# KiCad board UFC_Main.kicad_pcb
title: UFC v6 MAIN; date: 2025-10-04; rev: 6.3.1; company: OPENHORNET.COM; note: CC BY-NC-SA
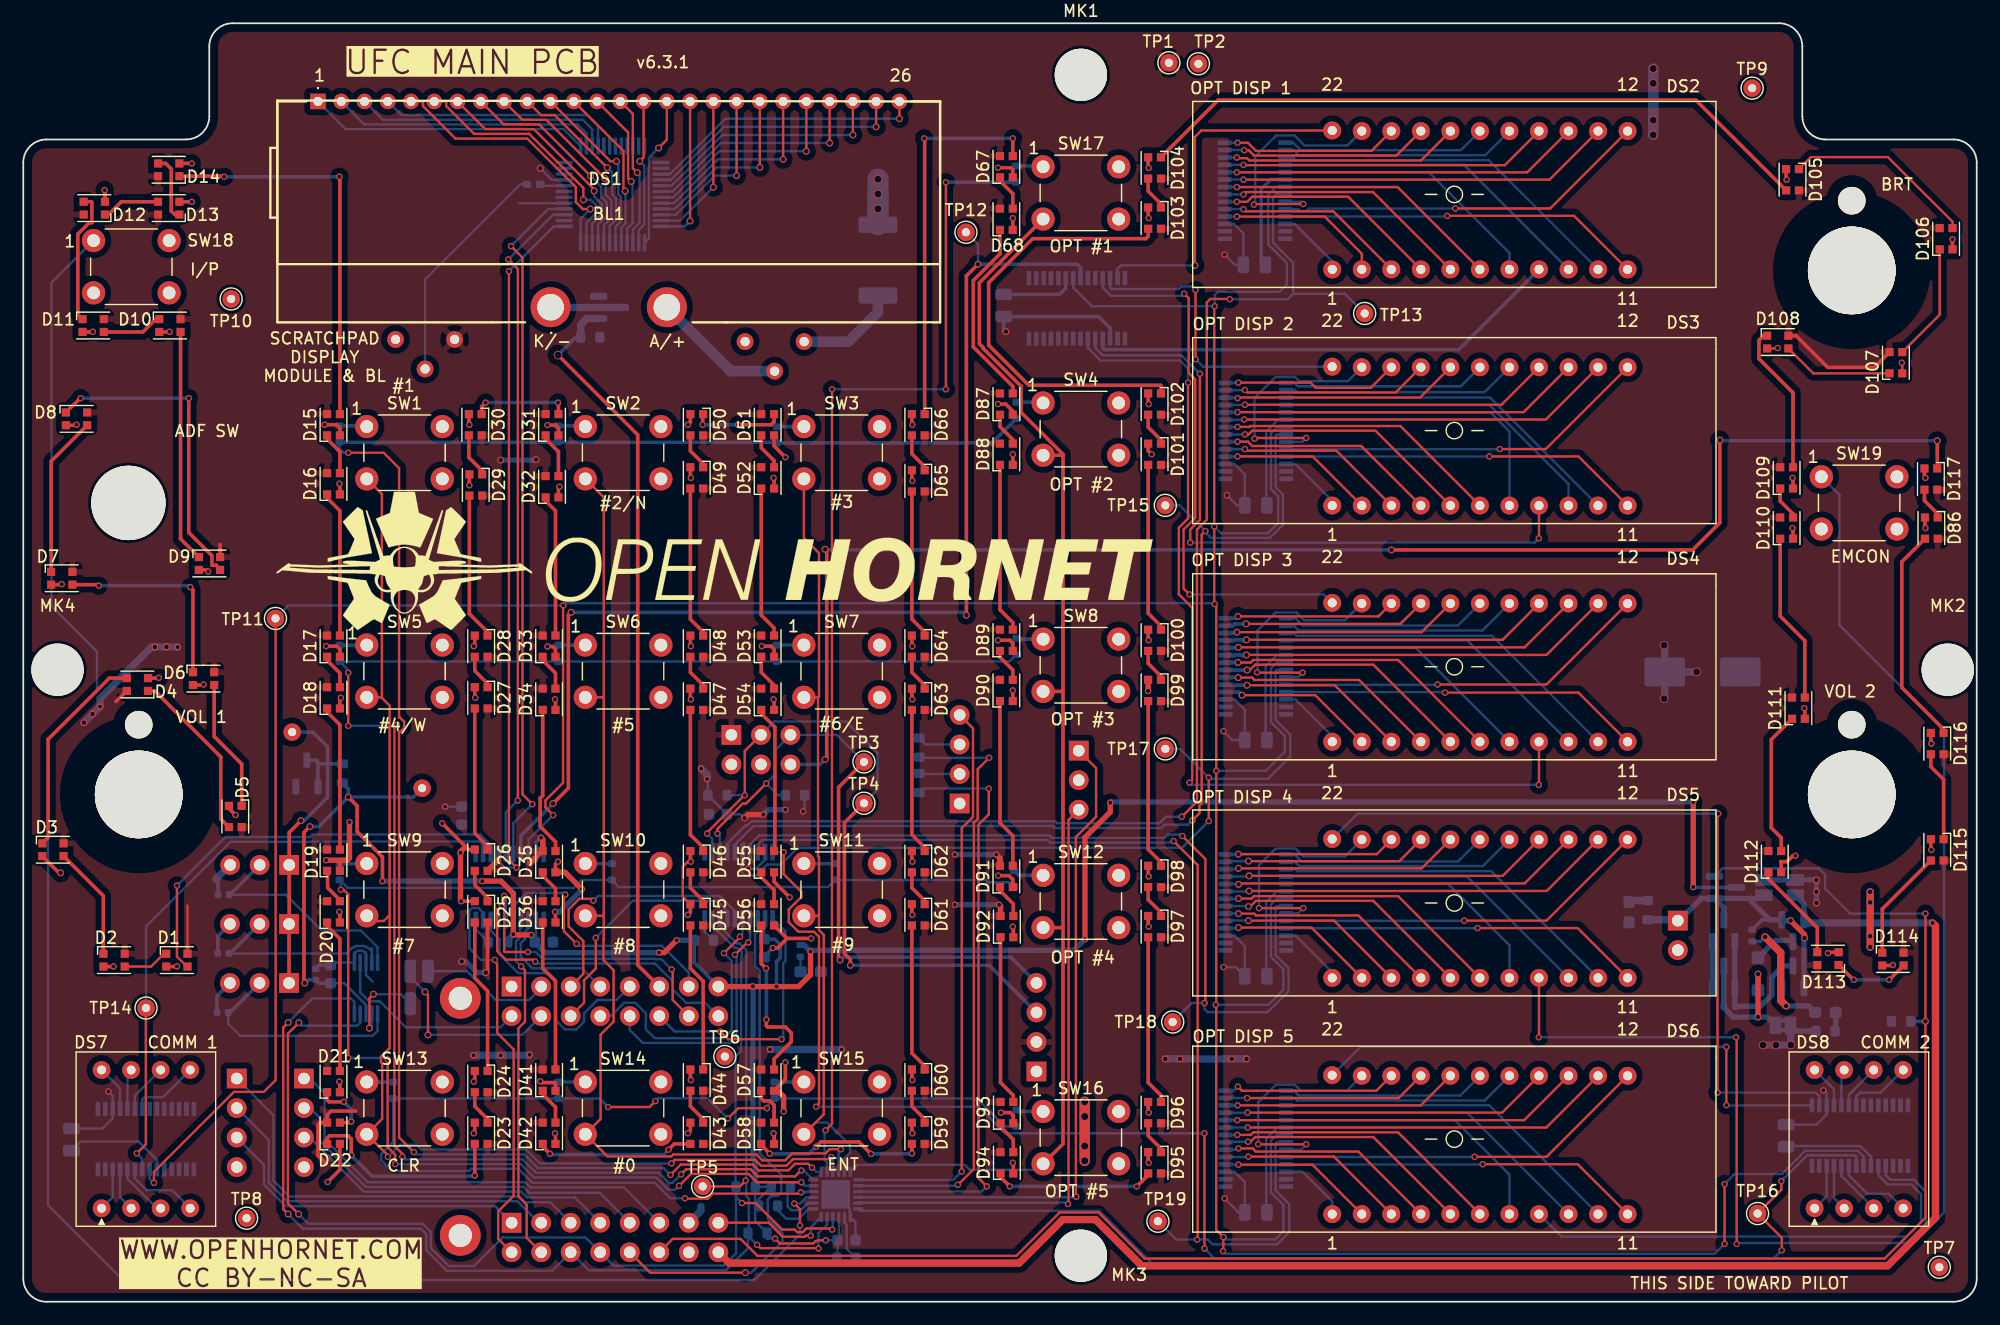
[diagram p0: board, top side]
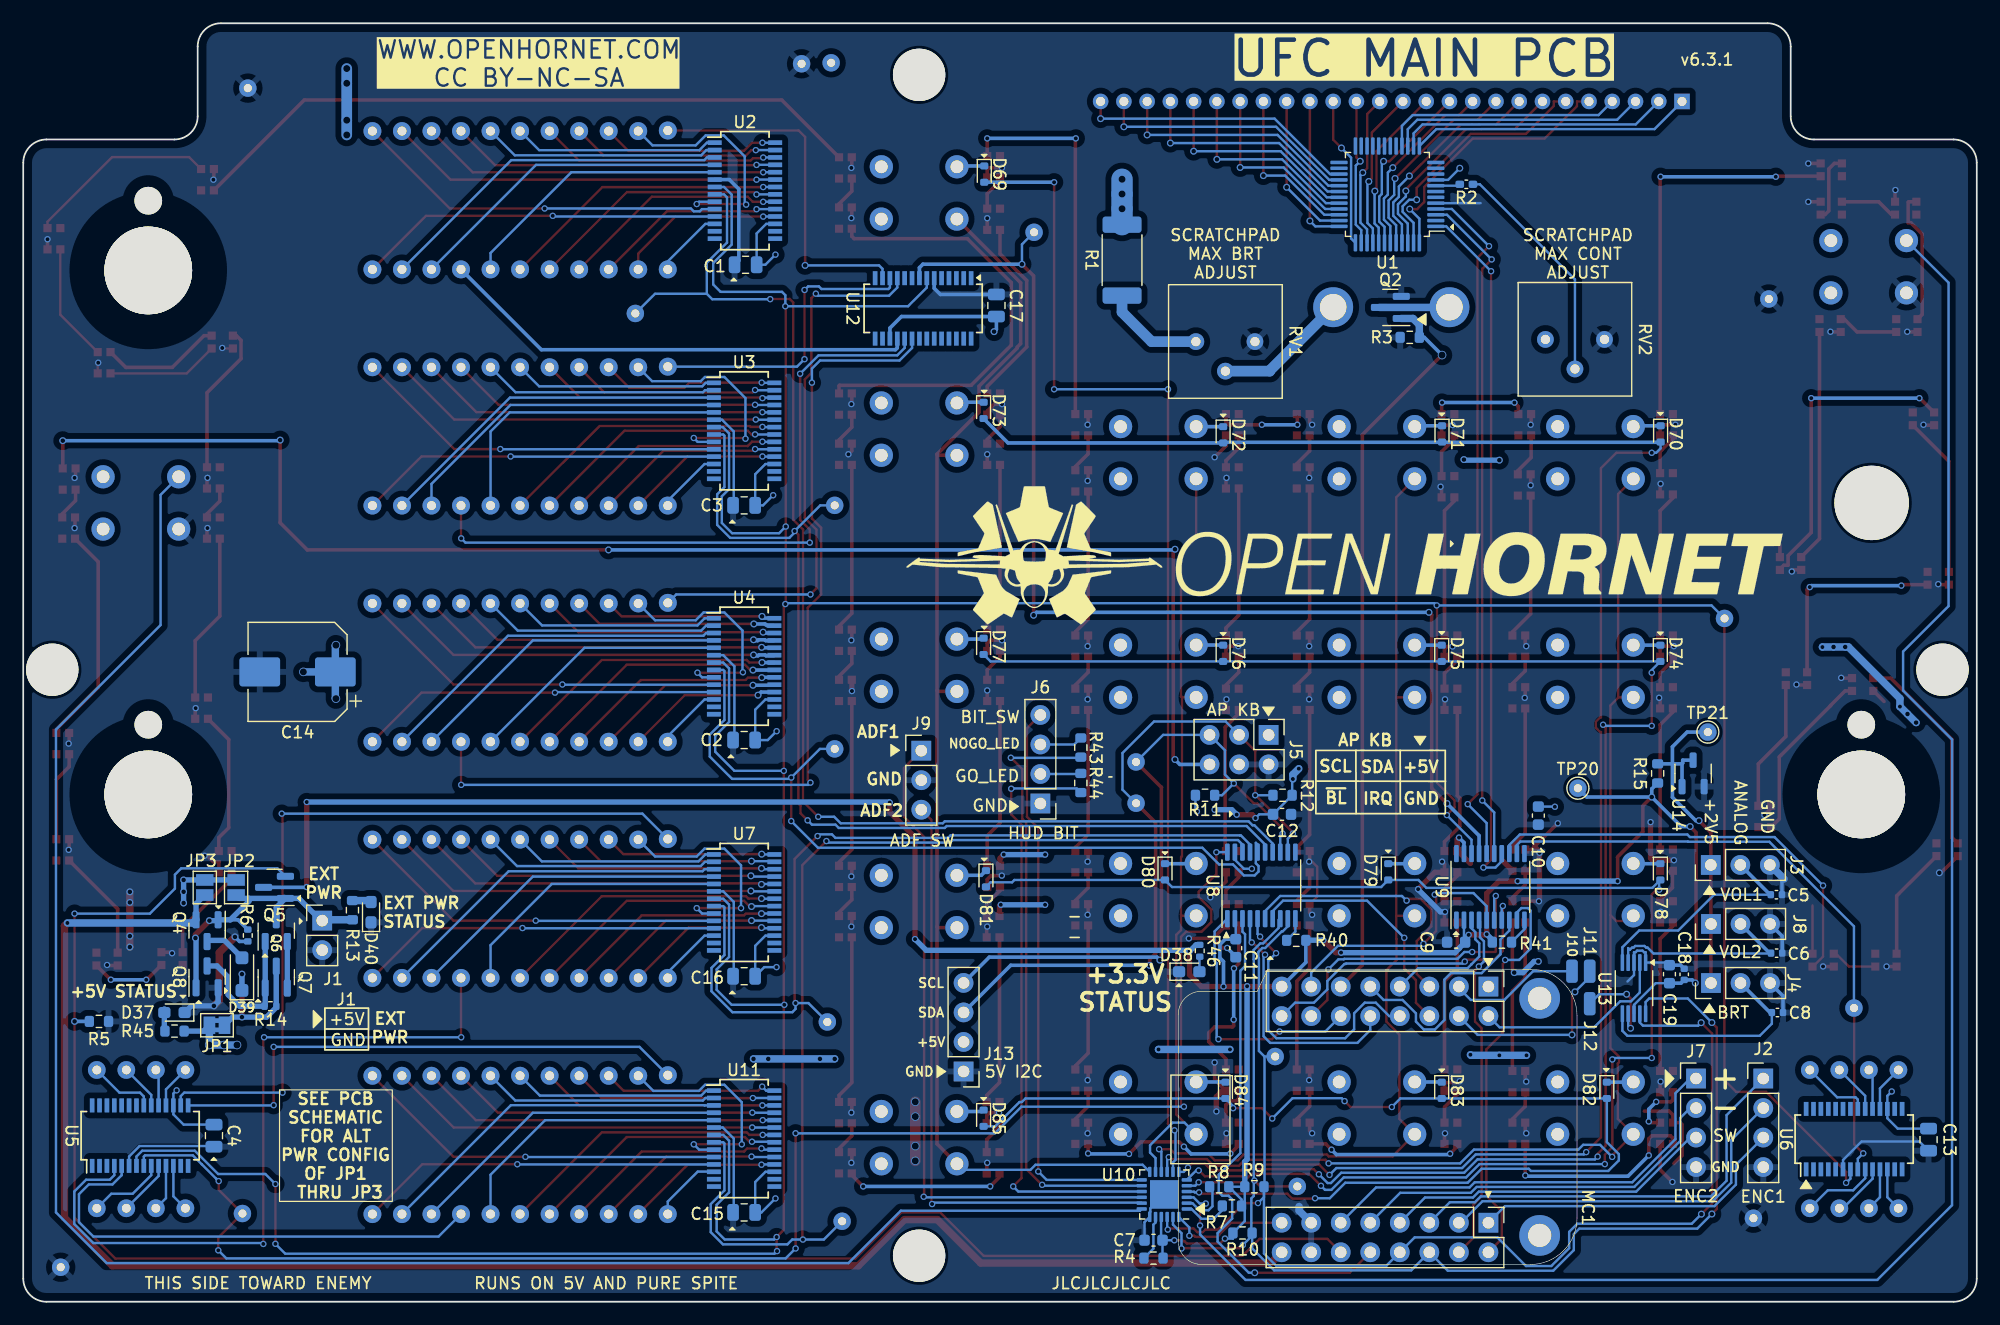
[diagram p1: board, bottom side, seen from below]

Outline 168 x 110 mm; copper layers: Top, Bottom. Coordinates in mm from the lower left corner of the outline.
Outline path: 0,98 0,2 arc(0.59,0.59) 2,0 166,0 arc(167.41,0.59) 168,2 168,98 arc(167.41,99.41) 166,100 155,100 arc(153.59,100.59) 153,102 153,108 arc(152.41,109.41) 151,110 18,110 arc(16.59,109.41) 16,108 16,102 arc(15.41,100.59) 14,100 2,100 arc(0.59,99.41) 0,98
Stack: Top 0.035mm / dielectric 1.51mm FR4 er 4.5 / Bottom 0.035mm

## Placement (name value [footprint] x y rotation side)
BL1  SCR BL  [SCRATCHPADBACKLIGHT]  45.35 85.57 0 top
C1  10uF  [C_0805_2012Metric]  105.88 89.22 180 bottom
C2  10uF  [C_0805_2012Metric]  106 48.33 180 bottom
C3  10uF  [C_0805_2012Metric]  106 68.52 180 bottom
C4  10uF  [C_0805_2012Metric]  151.6 14.29 90 bottom
C5  100nF  [C_0402_1005Metric]  17.23 35.02 0 bottom
C6  100nF  [C_0402_1005Metric]  17.21 29.99 0 bottom
C7  .1uF  [C_0603_1608Metric]  70.8 5.3 180 bottom
C8  100nF  [C_0402_1005Metric]  17.14 24.88 0 bottom
C9  .1uF  [C_0603_1608Metric]  44.77 30.94 180 bottom
C10  .1uF  [C_0603_1608Metric]  37.7 41.83 90 bottom
C11  .1uF  [C_0603_1608Metric]  63.72 30.42 90 bottom
C12  .1uF  [C_0603_1608Metric]  59.74 41.94 0 bottom
C13  10uF  [C_0805_2012Metric]  4.14 13.95 90 bottom
C14  1000uF  [CP_Elec_8x10]  144.41 54.19 0 bottom
C15  10uF  [C_0805_2012Metric]  106 7.69 180 bottom
C16  10uF  [C_0805_2012Metric]  106 28.01 180 bottom
C17  10uF  [C_0805_2012Metric]  84.31 85.72 270 bottom
C18  10uF  [C_0402_1005Metric]  25.16 28.17 270 bottom
C19  .1uF  [C_0603_1608Metric]  26.43 28.19 270 bottom
D1  WS2812B-2020  [LED_WS2812B-2020_PLCC4_2.0x2.0mm]  13.21 29.39 0 top
D2  WS2812B-2020  [LED_WS2812B-2020_PLCC4_2.0x2.0mm]  7.81 29.39 0 top
D3  WS2812B-2020  [LED_WS2812B-2020_PLCC4_2.0x2.0mm]  2.55 38.89 0 top
D4  WS2812B-2020  [LED_WS2812B-2020_PLCC4_2.0x2.0mm]  9.81 53.11 180 top
D5  WS2812B-2020  [LED_WS2812B-2020_PLCC4_2.0x2.0mm]  18.24 41.75 270 top
D6  WS2812B-2020  [LED_WS2812B-2020_PLCC4_2.0x2.0mm]  15.5 53.61 0 top
D7  WS2812B-2020  [LED_WS2812B-2020_PLCC4_2.0x2.0mm]  3.31 62.25 0 top
D8  WS2812B-2020  [LED_WS2812B-2020_PLCC4_2.0x2.0mm]  4.58 75.96 0 top
D9  WS2812B-2020  [LED_WS2812B-2020_PLCC4_2.0x2.0mm]  16.01 63.52 0 top
D10  WS2812B-2020  [LED_WS2812B-2020_PLCC4_2.0x2.0mm]  12.61 83.99 0 top
D11  WS2812B-2020  [LED_WS2812B-2020_PLCC4_2.0x2.0mm]  6.01 83.99 0 top
D12  WS2812B-2020  [LED_WS2812B-2020_PLCC4_2.0x2.0mm]  6.11 94.09 180 top
D13  WS2812B-2020  [LED_WS2812B-2020_PLCC4_2.0x2.0mm]  12.51 94.09 180 top
D14  WS2812B-2020  [LED_WS2812B-2020_PLCC4_2.0x2.0mm]  12.51 97.39 180 top
D15  WS2812B-2020  [LED_WS2812B-2020_PLCC4_2.0x2.0mm]  26.68 75.46 90 top
D16  WS2812B-2020  [LED_WS2812B-2020_PLCC4_2.0x2.0mm]  26.68 70.38 90 top
D17  WS2812B-2020  [LED_WS2812B-2020_PLCC4_2.0x2.0mm]  26.68 56.41 90 top
D18  WS2812B-2020  [LED_WS2812B-2020_PLCC4_2.0x2.0mm]  26.68 51.96 90 top
D19  WS2812B-2020  [LED_WS2812B-2020_PLCC4_2.0x2.0mm]  26.68 37.99 90 top
D20  WS2812B-2020  [LED_WS2812B-2020_PLCC4_2.0x2.0mm]  26.68 33.55 90 top
D21  WS2812B-2020  [LED_WS2812B-2020_PLCC4_2.0x2.0mm]  26.68 18.94 90 top
D22  WS2812B-2020  [LED_WS2812B-2020_PLCC4_2.0x2.0mm]  26.68 14.5 90 top
D23  WS2812B-2020  [LED_WS2812B-2020_PLCC4_2.0x2.0mm]  39.38 14.5 270 top
D24  WS2812B-2020  [LED_WS2812B-2020_PLCC4_2.0x2.0mm]  39.38 18.94 270 top
D25  WS2812B-2020  [LED_WS2812B-2020_PLCC4_2.0x2.0mm]  39.38 33.55 270 top
D26  WS2812B-2020  [LED_WS2812B-2020_PLCC4_2.0x2.0mm]  39.38 37.99 270 top
D27  WS2812B-2020  [LED_WS2812B-2020_PLCC4_2.0x2.0mm]  39.38 51.96 270 top
D28  WS2812B-2020  [LED_WS2812B-2020_PLCC4_2.0x2.0mm]  39.38 56.41 270 top
D29  WS2812B-2020  [LED_WS2812B-2020_PLCC4_2.0x2.0mm]  38.91 70.28 270 top
D30  WS2812B-2020  [LED_WS2812B-2020_PLCC4_2.0x2.0mm]  38.87 75.46 270 top
D31  WS2812B-2020  [LED_WS2812B-2020_PLCC4_2.0x2.0mm]  45.48 75.46 90 top
D32  WS2812B-2020  [LED_WS2812B-2020_PLCC4_2.0x2.0mm]  45.48 70.12 90 top
D33  WS2812B-2020  [LED_WS2812B-2020_PLCC4_2.0x2.0mm]  45.22 56.41 90 top
D34  WS2812B-2020  [LED_WS2812B-2020_PLCC4_2.0x2.0mm]  45.22 51.83 90 top
D35  WS2812B-2020  [LED_WS2812B-2020_PLCC4_2.0x2.0mm]  45.22 37.86 90 top
D36  WS2812B-2020  [LED_WS2812B-2020_PLCC4_2.0x2.0mm]  45.22 33.55 90 top
D37  +5V_PWR  [LED_0603_1608Metric_Pad1.05x0.95mm_HandSolder]  154.99 24.88 0 bottom
D38  +3.3V_PWR  [LED_0603_1608Metric_Pad1.05x0.95mm_HandSolder]  67.72 28.4 180 bottom
D39  K24  [D_SOD-123F]  149.19 28.19 90 bottom
D40  EXT PWR  [LED_0603_1608Metric_Pad1.05x0.95mm_HandSolder]  138.09 33.52 90 bottom
D41  WS2812B-2020  [LED_WS2812B-2020_PLCC4_2.0x2.0mm]  45.22 19.07 90 top
D42  WS2812B-2020  [LED_WS2812B-2020_PLCC4_2.0x2.0mm]  45.22 14.5 90 top
D43  WS2812B-2020  [LED_WS2812B-2020_PLCC4_2.0x2.0mm]  57.92 14.5 270 top
D44  WS2812B-2020  [LED_WS2812B-2020_PLCC4_2.0x2.0mm]  57.92 19.07 270 top
D45  WS2812B-2020  [LED_WS2812B-2020_PLCC4_2.0x2.0mm]  57.92 33.29 270 top
D46  WS2812B-2020  [LED_WS2812B-2020_PLCC4_2.0x2.0mm]  57.92 37.86 270 top
D47  WS2812B-2020  [LED_WS2812B-2020_PLCC4_2.0x2.0mm]  57.92 51.83 270 top
D48  WS2812B-2020  [LED_WS2812B-2020_PLCC4_2.0x2.0mm]  57.92 56.41 270 top
D49  WS2812B-2020  [LED_WS2812B-2020_PLCC4_2.0x2.0mm]  57.92 70.88 270 top
D50  WS2812B-2020  [LED_WS2812B-2020_PLCC4_2.0x2.0mm]  57.92 75.46 270 top
D51  WS2812B-2020  [LED_WS2812B-2020_PLCC4_2.0x2.0mm]  64.02 75.46 90 top
D52  WS2812B-2020  [LED_WS2812B-2020_PLCC4_2.0x2.0mm]  64.02 70.88 90 top
D53  WS2812B-2020  [LED_WS2812B-2020_PLCC4_2.0x2.0mm]  64.02 56.41 90 top
D54  WS2812B-2020  [LED_WS2812B-2020_PLCC4_2.0x2.0mm]  64.02 51.83 90 top
D55  WS2812B-2020  [LED_WS2812B-2020_PLCC4_2.0x2.0mm]  64.02 37.86 90 top
D56  WS2812B-2020  [LED_WS2812B-2020_PLCC4_2.0x2.0mm]  64.02 33.29 90 top
D57  WS2812B-2020  [LED_WS2812B-2020_PLCC4_2.0x2.0mm]  64.02 19.07 90 top
D58  WS2812B-2020  [LED_WS2812B-2020_PLCC4_2.0x2.0mm]  64.02 14.5 90 top
D59  WS2812B-2020  [LED_WS2812B-2020_PLCC4_2.0x2.0mm]  76.97 14.5 270 top
D60  WS2812B-2020  [LED_WS2812B-2020_PLCC4_2.0x2.0mm]  76.97 19.07 270 top
D61  WS2812B-2020  [LED_WS2812B-2020_PLCC4_2.0x2.0mm]  76.97 33.29 270 top
D62  WS2812B-2020  [LED_WS2812B-2020_PLCC4_2.0x2.0mm]  76.97 37.86 270 top
D63  WS2812B-2020  [LED_WS2812B-2020_PLCC4_2.0x2.0mm]  76.97 51.83 270 top
D64  WS2812B-2020  [LED_WS2812B-2020_PLCC4_2.0x2.0mm]  76.97 56.41 270 top
D65  WS2812B-2020  [LED_WS2812B-2020_PLCC4_2.0x2.0mm]  76.97 70.63 270 top
D66  WS2812B-2020  [LED_WS2812B-2020_PLCC4_2.0x2.0mm]  76.97 75.46 270 top
D67  WS2812B-2020  [LED_WS2812B-2020_PLCC4_2.0x2.0mm]  84.55 97.66 90 top
D68  WS2812B-2020  [LED_WS2812B-2020_PLCC4_2.0x2.0mm]  84.55 93.14 90 top
D69  1N4148WT  [D_SOD-523]  85.35 97.02 270 bottom
D70  1N4148WT  [D_SOD-523]  27.19 74.67 270 bottom
D71  1N4148WT  [D_SOD-523]  45.98 74.67 270 bottom
D72  1N4148WT  [D_SOD-523]  64.81 74.59 270 bottom
D73  1N4148WT  [D_SOD-523]  85.41 76.69 270 bottom
D74  1N4148WT  [D_SOD-523]  27.21 55.79 270 bottom
D75  1N4148WT  [D_SOD-523]  46.01 55.79 270 bottom
D76  1N4148WT  [D_SOD-523]  64.81 55.79 270 bottom
D77  1N4148WT  [D_SOD-523]  85.41 56.39 270 bottom
D78  1N4148WT  [D_SOD-523]  27.21 36.99 270 bottom
D79  1N4148WT  [D_SOD-523]  50.61 36.99 270 bottom
D80  1N4148WT  [D_SOD-523]  69.81 36.99 270 bottom
D81  1N4148WT  [D_SOD-523]  85.21 36.39 270 bottom
D82  1N4148WT  [D_SOD-523]  31.81 18.19 270 bottom
D83  1N4148WT  [D_SOD-523]  46.01 18.19 270 bottom
D84  1N4148WT  [D_SOD-523]  64.61 18.19 270 bottom
D85  1N4148WT  [D_SOD-523]  85.41 15.79 270 bottom
D86  WS2812B-2020  [LED_WS2812B-2020_PLCC4_2.0x2.0mm]  164.09 66.57 270 top
D87  WS2812B-2020  [LED_WS2812B-2020_PLCC4_2.0x2.0mm]  84.55 77.23 90 top
D88  WS2812B-2020  [LED_WS2812B-2020_PLCC4_2.0x2.0mm]  84.55 72.92 90 top
D89  WS2812B-2020  [LED_WS2812B-2020_PLCC4_2.0x2.0mm]  84.55 56.91 90 top
D90  WS2812B-2020  [LED_WS2812B-2020_PLCC4_2.0x2.0mm]  84.55 52.6 90 top
D91  WS2812B-2020  [LED_WS2812B-2020_PLCC4_2.0x2.0mm]  84.55 36.59 90 top
D92  WS2812B-2020  [LED_WS2812B-2020_PLCC4_2.0x2.0mm]  84.59 32.28 90 top
D93  WS2812B-2020  [LED_WS2812B-2020_PLCC4_2.0x2.0mm]  84.59 16.27 90 top
D94  WS2812B-2020  [LED_WS2812B-2020_PLCC4_2.0x2.0mm]  84.59 11.96 90 top
D95  WS2812B-2020  [LED_WS2812B-2020_PLCC4_2.0x2.0mm]  97.29 11.96 270 top
D96  WS2812B-2020  [LED_WS2812B-2020_PLCC4_2.0x2.0mm]  97.29 16.27 270 top
D97  WS2812B-2020  [LED_WS2812B-2020_PLCC4_2.0x2.0mm]  97.29 32.28 270 top
D98  WS2812B-2020  [LED_WS2812B-2020_PLCC4_2.0x2.0mm]  97.29 36.59 270 top
D99  WS2812B-2020  [LED_WS2812B-2020_PLCC4_2.0x2.0mm]  97.29 52.6 270 top
D100  WS2812B-2020  [LED_WS2812B-2020_PLCC4_2.0x2.0mm]  97.29 56.91 270 top
D101  WS2812B-2020  [LED_WS2812B-2020_PLCC4_2.0x2.0mm]  97.29 72.92 270 top
D102  WS2812B-2020  [LED_WS2812B-2020_PLCC4_2.0x2.0mm]  97.29 77.23 270 top
D103  WS2812B-2020  [LED_WS2812B-2020_PLCC4_2.0x2.0mm]  97.29 93.24 270 top
D104  WS2812B-2020  [LED_WS2812B-2020_PLCC4_2.0x2.0mm]  97.29 97.55 270 top
D105  WS2812B-2020  [LED_WS2812B-2020_PLCC4_2.0x2.0mm]  152.16 96.54 270 top
D106  WS2812B-2020  [LED_WS2812B-2020_PLCC4_2.0x2.0mm]  165.36 91.46 90 top
D107  WS2812B-2020  [LED_WS2812B-2020_PLCC4_2.0x2.0mm]  161.05 80.79 90 top
D108  WS2812B-2020  [LED_WS2812B-2020_PLCC4_2.0x2.0mm]  150.89 82.57 0 top
D109  WS2812B-2020  [LED_WS2812B-2020_PLCC4_2.0x2.0mm]  151.65 70.88 90 top
D110  WS2812B-2020  [LED_WS2812B-2020_PLCC4_2.0x2.0mm]  151.65 66.57 90 top
D111  WS2812B-2020  [LED_WS2812B-2020_PLCC4_2.0x2.0mm]  152.66 51.07 90 top
D112  WS2812B-2020  [LED_WS2812B-2020_PLCC4_2.0x2.0mm]  150.63 37.86 90 top
D113  WS2812B-2020  [LED_WS2812B-2020_PLCC4_2.0x2.0mm]  155.2 29.52 180 top
D114  WS2812B-2020  [LED_WS2812B-2020_PLCC4_2.0x2.0mm]  160.79 29.48 0 top
D115  WS2812B-2020  [LED_WS2812B-2020_PLCC4_2.0x2.0mm]  164.6 38.88 270 top
D116  WS2812B-2020  [LED_WS2812B-2020_PLCC4_2.0x2.0mm]  164.6 48.02 270 top
D117  WS2812B-2020  [LED_WS2812B-2020_PLCC4_2.0x2.0mm]  164.05 70.78 270 top
DS1  SCR DISP  [SCRATCHPADLCD]  25.35 103.27 0 top
DS2  UFCOptionDigit  [UFCOptionDigitV3]  123.07 95.27 0 top
DS3  UFCOptionDigit  [UFCOptionDigitV3]  123.07 74.95 0 top
DS4  UFCOptionDigit  [UFCOptionDigitV3]  123.07 54.63 0 top
DS5  UFCOptionDigit  [UFCOptionDigitV3]  123.07 34.31 0 top
DS6  UFCOptionDigit  [UFCOptionDigitV3]  123.07 13.99 0 top
DS7  -  [UFCSingleDigit]  10.55 13.99 0 top
DS8  -  [UFCSingleDigit]  157.87 13.99 0 top
G***  LOGO  [OH_LOGO_75.4mm_11.9mm]  54.38 64.22 180 bottom
J1  EXT_PWR  [PinHeader_1x02_P2.54mm_Vertical]  142.29 32.79 180 bottom
J2  ENC1  [PinHeader_1x04_P2.54mm_Vertical]  18.36 19.21 180 bottom
J3  VOL1  [PinHeader_1x03_P2.54mm_Vertical]  22.87 37.58 90 bottom
J4  BRT  [PinHeader_1x03_P2.54mm_Vertical]  22.86 27.42 90 bottom
J5  AP KB  [PinHeader_2x03_P2.54mm_Vertical]  60.9 48.77 270 bottom
J6  HUD BIT  [PinHeader_1x04_P2.54mm_Vertical]  80.53 42.87 0 bottom
J7  ENC2  [PinHeader_1x04_P2.54mm_Vertical]  24.14 19.21 180 bottom
J8  VOL2  [PinHeader_1x03_P2.54mm_Vertical]  22.86 32.5 90 bottom
J9  ADF SW  [PinHeader_1x03_P2.54mm_Vertical]  90.77 47.41 180 bottom
J10  GPIO3  [SolderWirePad_1x01_SMD_1x2mm]  34.81 28.44 180 bottom
J11  GPIO2  [SolderWirePad_1x01_SMD_1x2mm]  33.28 28.44 180 bottom
J12  AIN3  [SolderWirePad_1x01_SMD_1x2mm]  33.28 25.65 180 bottom
J13  5V I2C  [PinHeader_1x04_P2.54mm_Vertical]  87.13 19.81 0 bottom
JP1  5VP  [SolderJumper-2_P1.3mm_Bridged2Bar_Pad1.0x1.5mm]  151.34 23.79 0 bottom
JP2  VCC  [SolderJumper-2_P1.3mm_Open_Pad1.0x1.5mm]  149.69 35.64 90 bottom
JP3  VBUS  [SolderJumper-2_P1.3mm_Open_Pad1.0x1.5mm]  152.39 35.64 90 bottom
LOGO  LOGO  [LOGO_OH_Text_Large]  59.45 63.74 0 top
MC1  -  [S2_MINI]  53.43 15.69 270 bottom
MK1  MH  [MountingHole_4.5mm]  90.96 105.56 0 top
MK2  MH  [MountingHole_4.5mm]  165.51 54.38 0 top
MK3  MH  [MountingHole_4.5mm]  90.96 3.96 0 top
MK4  MH  [MountingHole_4.5mm]  2.95 54.38 0 top
MK5  SW_ADF  [MountingHole_6.4mm_M6]  9.04 68.73 0 top
POT1  VOL1  [BR10K_Pot_11mm_x_11mm]  9.93 43.65 180 top
POT2  VOL2  [BR10K_Pot_11mm_x_11mm]  157.25 43.65 180 top
POT3  BRT  [BR10K_Pot_11mm_x_11mm]  157.25 88.73 180 top
Q2  2N7002  [SOT-23]  50.43 85.55 0 bottom
Q4  SKML5203  [SOT-23]  152.19 31.93 270 bottom
Q5  SI2302  [SOT-23]  146.39 35.65 0 bottom
Q6  SKML5203  [SOT-23]  146.24 31.93 90 bottom
Q7  SKML5203  [SOT-23]  146.24 27.93 90 bottom
Q8  SI2302  [SOT-23]  152.19 27.95 90 bottom
R1  10  [R_2512_6332Metric_Pad1.40x3.35mm_HandSolder]  73.51 89.62 90 bottom
R2  10  [C_0402_1005Metric_Pad0.74x0.62mm_HandSolder]  43.89 96.14 0 bottom
R3  10K  [R_0603_1608Metric]  48.76 82.98 180 bottom
R4  4.7k  [R_0603_1608Metric]  70.8 3.76 0 bottom
R5  10K  [R_0603_1608Metric]  161.49 24.12 180 bottom
R6  100K  [R_0402_1005Metric]  148.69 31.51 270 bottom
R7  10K  [R_0603_1608Metric]  64.05 8.25 180 bottom
R8  10K  [R_0603_1608Metric]  65.15 9.9 180 bottom
R9  4.7k  [R_0603_1608Metric]  62.12 9.9 180 bottom
R10  4.7k  [R_0603_1608Metric]  63.14 5.92 0 bottom
R11  4.7k  [R_0603_1608Metric]  66.37 43.58 180 bottom
R12  4.7k  [R_0603_1608Metric]  59.7 43.58 180 bottom
R13  120  [R_0603_1608Metric]  139.69 33.69 90 bottom
R14  100K  [R_0402_1005Metric]  146.74 25.43 0 bottom
R15  120  [R_0603_1608Metric]  27.44 45.46 90 bottom
R40  4.7k  [R_0603_1608Metric]  58.52 31.1 180 bottom
R41  4.7k  [R_0603_1608Metric]  40.84 30.94 0 bottom
R43  120  [R_0603_1608Metric]  77.05 47.68 90 bottom
R44  120  [R_0603_1608Metric]  77.05 44.63 90 bottom
R45  120  [R_0603_1608Metric]  154.99 23.29 0 bottom
R46  33  [R_0402_1005Metric]  66.82 30.2 270 bottom
RV1  1K  [Potentiometer_Bourns_3386P_Vertical]  67.16 82.61 270 bottom
RV2  10K  [Potentiometer_Bourns_3386P_Vertical]  37.09 82.8 270 bottom
SW1  B3F-1026  [Omron_B3F-1026]  29.54 75.3 0 top
SW2  B3F-1026  [Omron_B3F-1026]  48.34 75.3 0 top
SW3  B3F-1026  [Omron_B3F-1026]  67.13 75.3 0 top
SW4  B3F-1026  [Omron_B3F-1026]  87.71 77.33 0 top
SW5  B3F-1026  [Omron_B3F-1026]  29.54 56.5 0 top
SW6  B3F-1026  [Omron_B3F-1026]  48.34 56.5 0 top
SW7  B3F-1026  [Omron_B3F-1026]  67.13 56.5 0 top
SW8  B3F-1026  [Omron_B3F-1026]  87.71 57.01 0 top
SW9  B3F-1026  [Omron_B3F-1026]  29.54 37.71 0 top
SW10  B3F-1026  [Omron_B3F-1026]  48.34 37.71 0 top
SW11  B3F-1026  [Omron_B3F-1026]  67.13 37.71 0 top
SW12  B3F-1026  [Omron_B3F-1026]  87.71 36.69 0 top
SW13  B3F-1026  [Omron_B3F-1026]  29.54 18.91 0 top
SW14  B3F-1026  [Omron_B3F-1026]  48.34 18.91 0 top
SW15  B3F-1026  [Omron_B3F-1026]  67.13 18.91 0 top
SW16  B3F-1026  [Omron_B3F-1026]  87.71 16.37 0 top
SW17  B3F-1026  [Omron_B3F-1026]  87.71 97.65 0 top
SW18  B3F-1026  [Omron_B3F-1026]  6.05 91.3 0 top
SW19  B3F-1026  [Omron_B3F-1026]  154.64 70.98 0 top
TP1  5V  [TestPoint_THTPad_D1.5mm_Drill0.7mm]  98.52 106.6 0 top
TP2  GND  [TestPoint_THTPad_D1.5mm_Drill0.7mm]  101.06 106.51 0 top
TP3  SCL  [TestPoint_THTPad_D1.5mm_Drill0.7mm]  72.3 46.44 0 top
TP4  SDA  [TestPoint_THTPad_D1.5mm_Drill0.7mm]  72.3 42.89 0 top
TP5  SCL@3.3V  [TestPoint_THTPad_D1.5mm_Drill0.7mm]  58.43 9.92 0 top
TP6  SDA@3.3V  [TestPoint_THTPad_D1.5mm_Drill0.7mm]  60.34 21.1 0 top
TP7  GND  [TestPoint_THTPad_D1.5mm_Drill0.7mm]  164.78 2.97 0 top
TP8  GND  [TestPoint_THTPad_D1.5mm_Drill0.7mm]  19.21 7.19 0 top
TP9  GND  [TestPoint_THTPad_D1.5mm_Drill0.7mm]  148.69 104.42 0 top
TP10  GND  [TestPoint_THTPad_D1.5mm_Drill0.7mm]  17.88 86.28 0 top
TP11  DIO  [TestPoint_THTPad_D1.5mm_Drill0.7mm]  21.69 58.79 0 top
TP12  CUE_CLK  [TestPoint_THTPad_D1.5mm_Drill0.7mm]  81.07 92.02 0 top
TP13  OP1_CLK  [TestPoint_THTPad_D1.5mm_Drill0.7mm]  115.36 85.03 0 top
TP14  C1_CLK  [TestPoint_THTPad_D1.5mm_Drill0.7mm]  10.56 25.27 0 top
TP15  OP2_CLK  [TestPoint_THTPad_D1.5mm_Drill0.7mm]  98.22 68.52 0 top
TP16  C2_CLK  [TestPoint_THTPad_D1.5mm_Drill0.7mm]  149.15 7.59 0 top
TP17  OP3_CLK  [TestPoint_THTPad_D1.5mm_Drill0.7mm]  98.22 47.57 0 top
TP18  OP4_CLK  [TestPoint_THTPad_D1.5mm_Drill0.7mm]  98.85 24.07 0 top
TP19  OP5_CLK  [TestPoint_THTPad_D1.5mm_Drill0.7mm]  97.58 6.93 0 top
TP20  3V3  [TestPoint_THTPad_D1.5mm_Drill0.7mm]  34.3 44.19 180 bottom
TP21  2V5  [TestPoint_THTPad_D1.5mm_Drill0.7mm]  23.12 49.01 180 bottom
U1  HT1621B  [LQFP-48_7x7mm_P0.5mm]  50.68 95.27 0 bottom
U2  GN1640T  [SSOP-28_3.9x9.9mm_P0.635mm]  105.94 95.6 180 bottom
U3  GN1640T  [SSOP-28_3.9x9.9mm_P0.635mm]  106 74.93 180 bottom
U4  GN1640T  [SSOP-28_3.9x9.9mm_P0.635mm]  106 54.68 180 bottom
U5  GN1640T  [SSOP-28_3.9x9.9mm_P0.635mm]  157.95 14.29 90 bottom
U6  GN1640T  [SSOP-28_3.9x9.9mm_P0.635mm]  10.55 13.99 90 bottom
U7  GN1640T  [SSOP-28_3.9x9.9mm_P0.635mm]  106 34.36 180 bottom
U8  TXS0108EPWR  [TSSOP-20_4.4x6.5mm_P0.65mm]  61.52 35.82 90 bottom
U9  TXS0108EPWR  [TSSOP-20_4.4x6.5mm_P0.65mm]  41.82 35.7 90 bottom
U10  TCA8418RTWR  [WQFN-24-1EP_4x4mm_P0.5mm_EP2.45x2.45mm]  69.87 9.23 0 bottom
U11  GN1640T  [SSOP-28_3.9x9.9mm_P0.635mm]  106 14.04 180 bottom
U12  GN1640T  [SSOP-28_3.9x9.9mm_P0.635mm]  90.61 85.47 270 bottom
U13  ADS1115IDGSR  [VSSOP-10_3x3mm_P0.5mm]  29.48 26.98 270 bottom
U14  ADR5040ARTZ  [SOT-23-3]  24.39 45.46 90 bottom

## Library data of the parts
C1-C4 C13 C15 C16 = -: Datasheet: https://datasheet.lcsc.com/lcsc/1811121310_Samsung-Electro-Mechanics-CL21A106KAYNNNE_C15850.pdf; LCSC: C15850; Manufacturer PN: CL21A106KAYNNNE; PN: CL21A106KAYNNNE; ki_fp_filters: C_*
C5 C6 C8 = -: Datasheet: https://datasheet.lcsc.com/szlcsc/Samsung-Electro-Mechanics-CL05B104KO5NNNC_C1525.pdf; LCSC: C1525; Manufacturer PN: CL05B104KO5NNNC; PN: CL05B104KO5NNNC; ki_fp_filters: C_*
C7 C9-C12 = -: Datasheet: https://datasheet.lcsc.com/lcsc/1809301912_YAGEO-CC0603KRX7R9BB104_C14663.pdf; LCSC: C14663; Manufacturer PN: CC0603KRX7R9BB104; PN: CC0603KRX7R9BB104; ki_fp_filters: C_*
C14 = -: Datasheet: https://www.mouser.com/datasheet/2/293/e_uwt-1847810.pdf; LCSC: C445083; Manufacturer PN: UWT0J102MNL1GS; PN: UWT0J102MNL1GS; ki_fp_filters: CP_*
C17 = -: Datasheet: https://datasheet.lcsc.com/lcsc/1811121310_Samsung-Electro-Mechanics-CL21A106KAYNNNE_C15850.pdf; LCSC: C15850; PN: CL21A106KAYNNNE; Manufacturer PN: CL21A106KAYNNNE; ki_fp_filters: C_*
C18 = -: Datasheet: https://datasheet.lcsc.com/szlcsc/Samsung-Electro-Mechanics-CL05A106MQ5NUNC_C15525.pdf; LCSC: C15525; PN: CL05A106MQ5NUNC; Manufacturer PN: CL21A106KAYNNNE; ki_fp_filters: C_*
C19 = -: Datasheet: https://datasheet.lcsc.com/lcsc/1809301912_YAGEO-CC0603KRX7R9BB104_C14663.pdf; LCSC: C14663; PN: CC0603KRX7R9BB104; Manufacturer PN: CC0603KRX7R9BB104; ki_fp_filters: C_*
D1-D36 D41-D68 D86-D117 = -: Datasheet: https://www.mouser.com/pdfDocs/WS2812B-2020_V10_EN_181106150240761.pdf; LCSC: C965555; ki_fp_filters: LED*WS2812*PLCC*5.0x5.0mm*P3.2mm*
D37 D38 D40 = -: Datasheet: https://datasheet.lcsc.com/lcsc/1811101510_Everlight-Elec-19-217-GHC-YR1S2-3T_C72043.pdf; LCSC: C72043; Manufacturer PN: 19-217/GHC-YR1S2/3T; PN: 19-217/GHC-YR1S2/3T; ki_fp_filters: LED* LED_SMD:* LED_THT:*
D39 = -: Description: Schottky diode; LCSC: C908664; Sim.Device: D; Sim.Pins: 1=K 2=A; ki_fp_filters: TO-???* *_Diode_* *SingleDiode* D_*
D69-D85 = -: Datasheet: https://www.diodes.com/assets/Datasheets/ds30396.pdf; LCSC: C727112; Sim.Device: D; Sim.Pins: 1=K 2=A; ki_fp_filters: D*SOD?523*
DS2-DS6 = -: Datasheet: https://tekcreations.space/product/f18-hornet-ufc-display-diy-package-open-hornet-v6/; Description: 16x4+2x1 Segment Green LED Display, TekCreations.space, Dot Matrix Replica
DS7 DS8 = -: Datasheet: https://tekcreations.space/product/16-segment-green-led-display/
J1-J4 J6-J9 J13 = -: ki_fp_filters: Connector*:*_1x??_*
J5 = -: ki_fp_filters: Connector*:*_2x??_*
J10-J12 = -: Description: Generic connector, single row, 01x01, script generated; ki_fp_filters: Connector*:*_1x??_*
JP1 = -: ki_fp_filters: SolderJumper*Bridged*
JP2 JP3 = -: ki_fp_filters: SolderJumper*Open*
MC1 = -: Datasheet: https://www.wemos.cc/en/latest/s2/s2_mini.html
MK1-MK5 POT1-POT3 = -: ki_fp_filters: MountingHole*
Q2 = -: Datasheet: https://www.onsemi.com/pub/Collateral/NDS7002A-D.PDF; LCSC: C8545; ki_fp_filters: SOT?23*
Q4 Q6 Q7 = -: Datasheet: https://www.lcsc.com/datasheet/lcsc_datasheet_2001131004_Shikues-SKML5203_C475707.pdf; Description: 30V 4A 65mΩ@10V,4A 1.3V@250uA 1 Piece P-Channel SOT-23 MOSFETs ROHS; LCSC: C475707; Manufacturer PN: ME2328-G; ki_fp_filters: SOT?23*
Q5 = -: Datasheet: https://jlcpcb.com/partdetail/YONGYUTAI-SI2302/C2891732; Description: 120pF 1V@250uA 1W 20V 300pF 3A 4nC@4.5V 65mΩ@2.5V 80pF N-Channel SOT-23 MOSFETs ROHS; LCSC: C2891732; ki_fp_filters: SOT?323*
Q8 = -: Datasheet: https://jlcpcb.com/partdetail/YONGYUTAI-SI2302/C2891732; Description: 1V@250uA 1W 20V 300pF 3A 4nC@4.5V 65mΩ@2.5V 80pF N-Channel SOT-23 MOSFETs ROHS; LCSC: C2891732; ki_fp_filters: SOT?323*
R1 = -: Datasheet: https://www.te.com/usa-en/product-1-2176230-4.datasheet.pdf; PN: 352210RJT; Manufacturer PN: 352210RJT; ki_fp_filters: R_*
R2 = -: Datasheet: https://www.lcsc.com/datasheet/lcsc_datasheet_2205311900_UNI-ROYAL-Uniroyal-Elec-0402WGF100JTCE_C25077.pdf; LCSC: C25077; PN: 0402WGF100JTCE; Manufacturer PN: 0402WGF100JTCE; ki_fp_filters: R_*
R3 R7 R8 = -: Datasheet: https://datasheet.lcsc.com/szlcsc/1811062009_UNI-ROYAL-Uniroyal-Elec-0603WAF1002T5E_C25804.pdf; LCSC: C25804; Manufacturer PN: 0603WAF1002T5E; PN: 0603WAF1002T5E; ki_fp_filters: R_*
R4 R9-R12 R40 R41 = -: Datasheet: https://datasheet.lcsc.com/lcsc/2206010116_UNI-ROYAL-Uniroyal-Elec-0603WAF4701T5E_C23162.pdf; LCSC: C23162; Manufacturer PN: 0603WAF4701T5E; PN: 0603WAF4701T5E; ki_fp_filters: R_*